# Altium PCB main_io.PcbDoc (part 6 of 6)
Units mil, origin at the board's own origin, x right, y up, seen from the top; angles counter-clockwise.
Board outline 6000 x 9000 mil, 4 copper layers (Top Layer, GND, PWR, Bottom Layer), stack 25.634 mil thick; 548 components, 268 nets, 1608 pads, 404 vias.
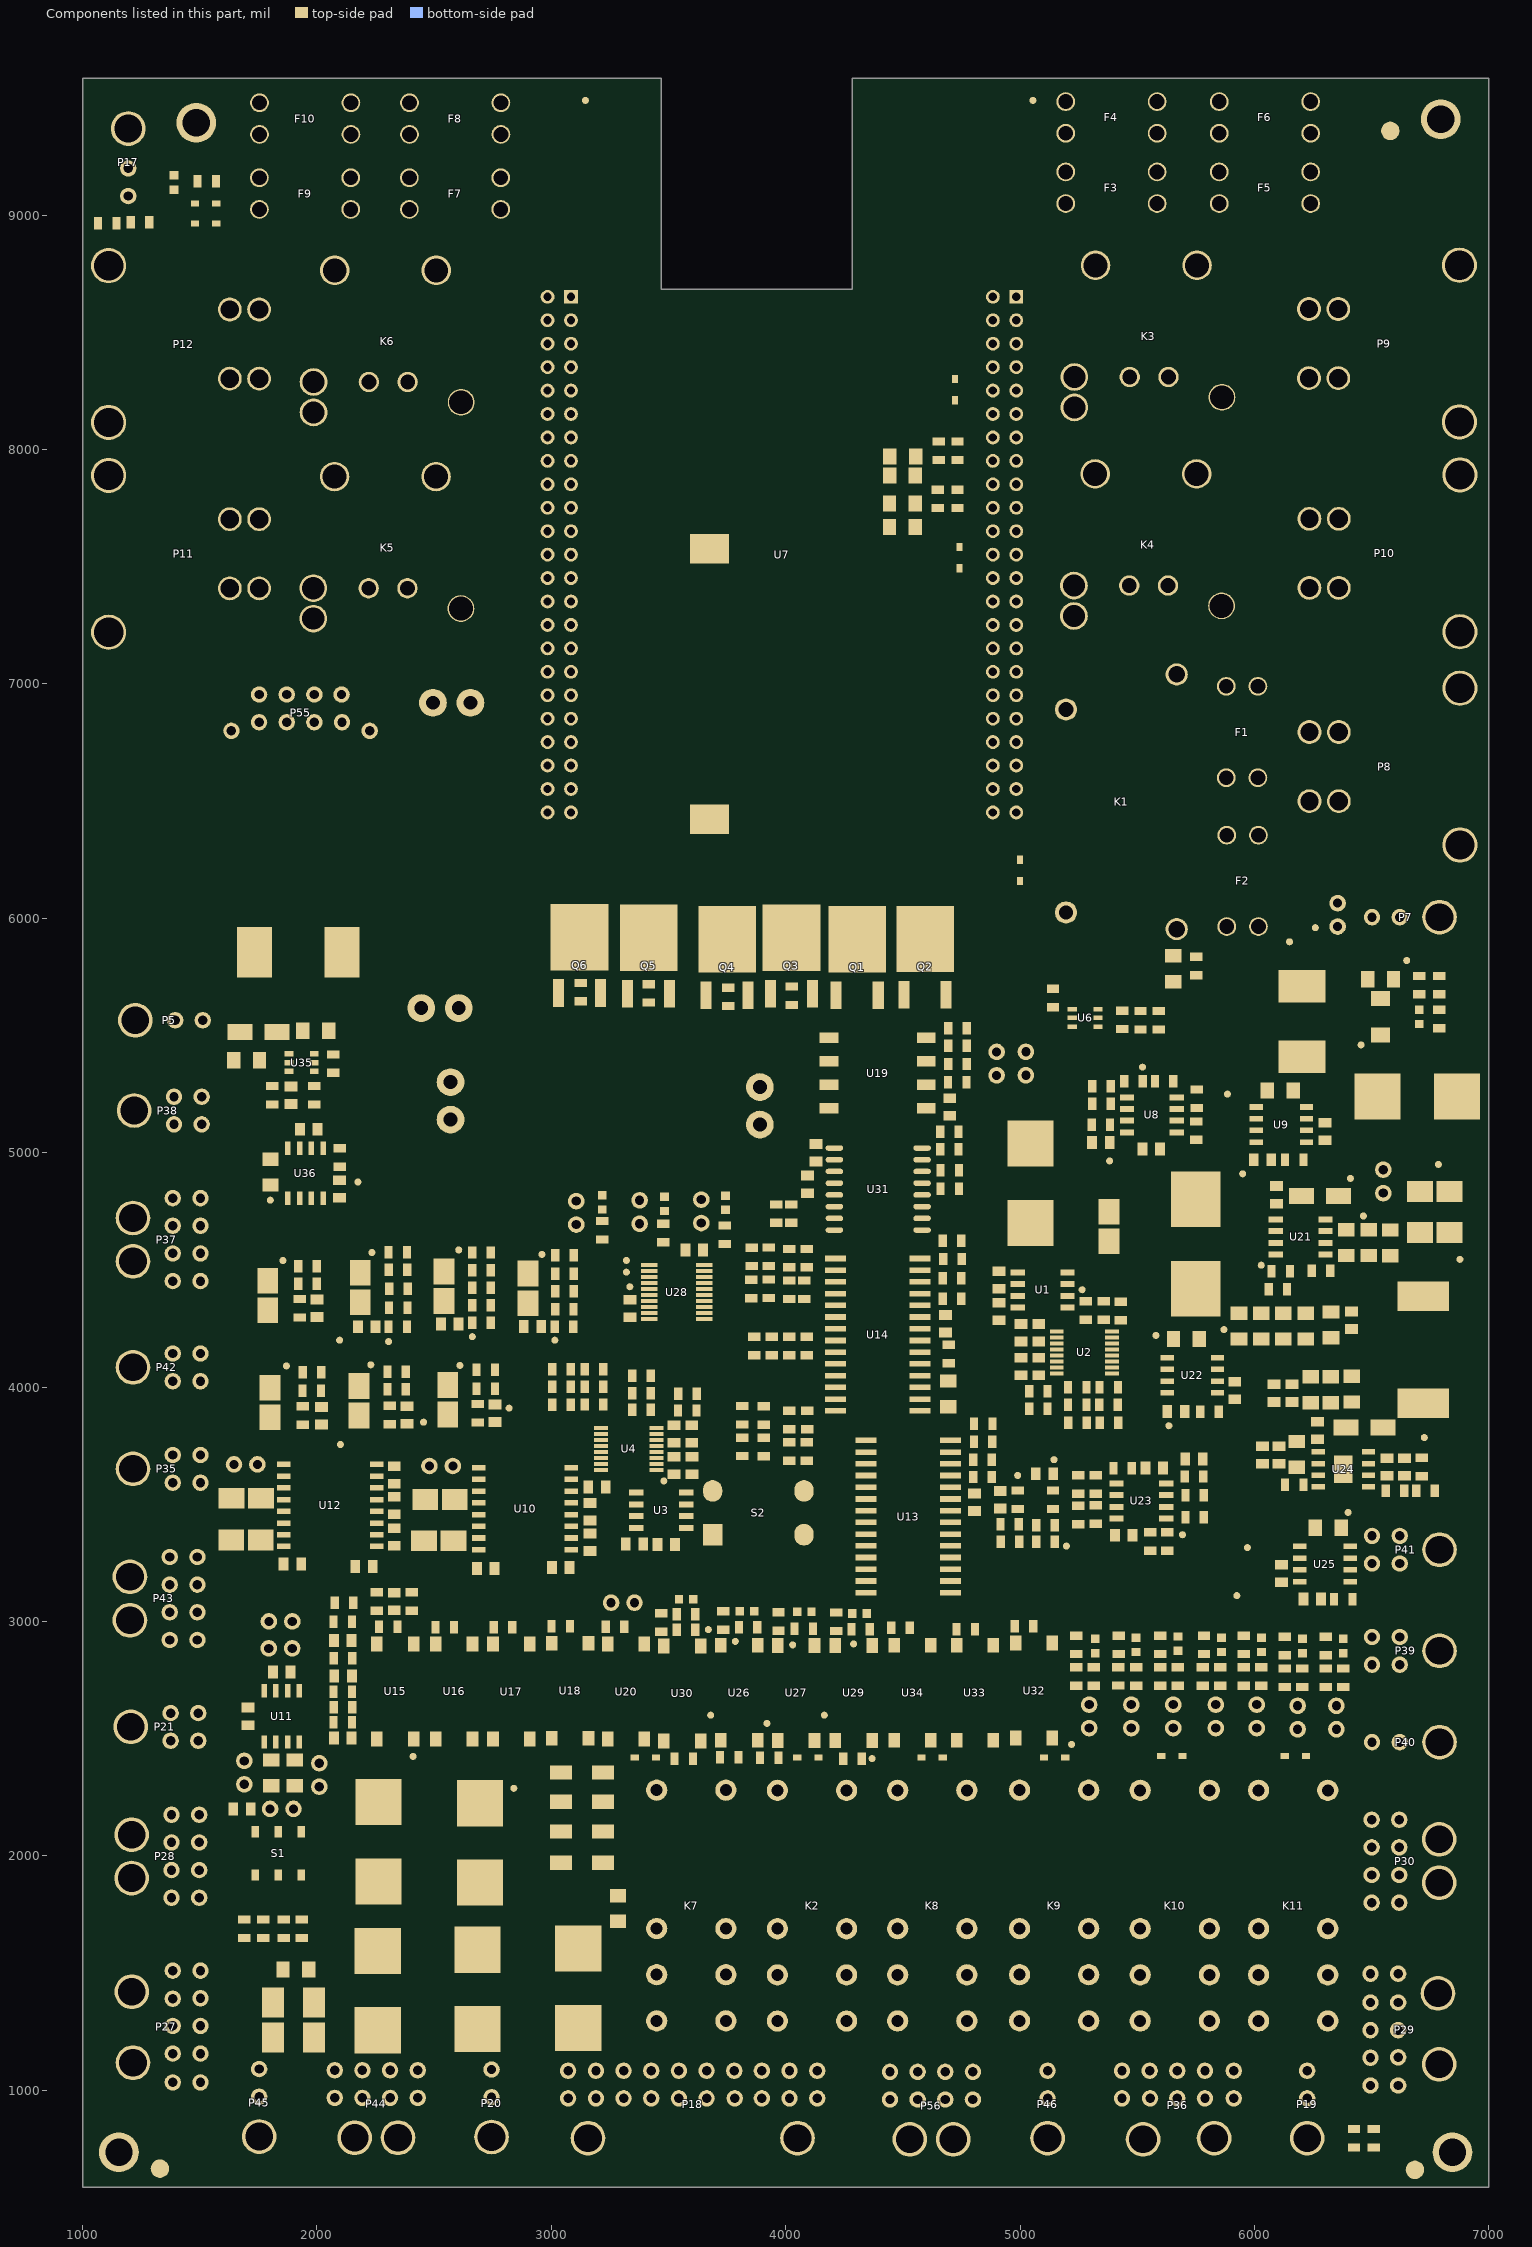
[diagram p8: the components of this part, seen from the top]

## Polygon pours and split planes (outlines as drawn) (continued)
GND on Top Layer "Top Layer-GND 30" (solid, pour order 392): 6245.03,3110 6245,3126 6240,3131 6156.31,3130.07 6130.63,3084.5 6130.63,3069.37 6145,3055 6240.03,3055 6245.03,3060
Low_Contactor_DRV on Top Layer "Top Layer-Low_Contactor_DRV" (solid, pour order 384): 6270,2735 6270,2730 6270,2615 6280,2605 6420,2605 6425,2610 6425,2730 6415,2740 6275,2740
"Inertia_Switch -" on Top Layer "Top Layer-Inertia_Switch -" (solid, pour order 382): 6100,2750 6090,2740 6090.87,2739.13 6090.87,2609.13 6100,2600 6235.03,2600 6245.03,2610 6245.03,2740 6235.03,2750
"Inertia_Switch +" on Top Layer "Top Layer-Inertia_Switch +" (solid, pour order 380): 5927.28,2750 5917.28,2740 5917.28,2617.72 5935,2600 6052.79,2600 6070,2621.14 6070,2735 6055,2750
NetK9_4 on Top Layer "Top Layer-NetK9_4" (solid, pour order 378): 5750,2745 5740,2735 5740,2595 5750,2585 5870,2585 5885,2600 5885,2735 5875,2745
NetK8_4 on Top Layer "Top Layer-NetK8_4" (solid, pour order 376): 5570,2750 5565,2745 5565,2740 5565,2735 5565,2617 5582,2600 5695,2600 5705,2615 5705,2620 5705,2740 5695,2750
"E-STOP -" on Top Layer "Top Layer-E-STOP -" (solid, pour order 374): 5393.11,2750 5385,2740 5385,2735 5385,2612.11 5397.11,2600 5508.98,2600 5525,2616.02 5525,2745 5520,2750 5515,2750
"E-STOP +" on Top Layer "Top Layer-E-STOP +" (solid, pour order 372): 5205,2750 5200,2745 5200,2620 5225,2595 5335,2595 5350,2610 5350,2740.63 5340.63,2750
NetLED16_1 on Top Layer "Top Layer-NetLED16_1" (solid, pour order 370): 6355,2890 6350,2885 6350,2782.4 6358.03,2774.37 6409.02,2774.37 6414.65,2780 6414.65,2881.69 6406.34,2890
NetLED15_1 on Top Layer "Top Layer-NetLED15_1" (solid, pour order 366): 6210,2890 6204.37,2890 6185.12,2890 6175,2879.88 6175,2775 6180,2770 6232.83,2770 6237.83,2775 6235,2777.83 6235,2880 6225,2890
INRT_STAT_FDBK on Top Layer "Top Layer-INRT_STAT_FDBK" (solid, pour order 364): 6100.51,2880 6095,2874.49 6095,2779.37 6100,2774.37 6159.37,2774.37 6165,2780 6165,2870 6155,2880
NetLED14_1 on Top Layer "Top Layer-NetLED14_1" (solid, pour order 362): 6005,2890 5997.6,2882.6 5997.6,2782.4 6005.63,2774.37 6049.37,2774.37 6060,2785 6060,2880 6050,2890
IMD_STAT_FDBK on Top Layer "Top Layer-IMD_STAT_FDBK" (solid, pour order 360): 5930,2885 5925,2880 5925,2784 5929,2780 5980,2780 5985,2785 5985,2880 5980,2885
NetLED11_1 on Top Layer "Top Layer-NetLED11_1" (solid, pour order 358): 5835,2895 5825,2885 5825,2785 5830,2780 5880,2780 5885,2785 5885,2890 5880,2895
BMS_STAT_FDBK on Top Layer "Top Layer-BMS_STAT_FDBK" (solid, pour order 356): 5755,2885 5750,2880 5750,2783.62 5753.62,2780 5810,2780 5815,2785 5815,2880 5810,2885
NetLED10_1 on Top Layer "Top Layer-NetLED10_1" (solid, pour order 354): 5650,2900 5645,2895 5645,2775 5650,2770 5705.63,2770 5710,2774.37 5710,2892.72 5702.72,2900
LMT_SW_FDBK on Top Layer "Top Layer-LMT_SW_FDBK" (solid, pour order 352): 5570,2885 5565,2880 5565,2787 5572,2780 5625,2780 5630,2785 5630,2879.52 5624.52,2885
NetLED13_1 on Top Layer "Top Layer-NetLED13_1" (solid, pour order 350): 5470,2890 5465,2885 5465,2780 5470.63,2774.37 5519.37,2774.37 5525,2780 5525,2785 5525,2885 5519.52,2890
E_STOP_FDBK on Top Layer "Top Layer-E_STOP_FDBK" (solid, pour order 348): 5390,2885 5385,2880 5385,2785 5395,2775 5447,2775 5452,2780 5452,2883 5450,2885
NetLED12_1 on Top Layer "Top Layer-NetLED12_1" (solid, pour order 346): 5290,2890 5283.27,2883.27 5283.27,2781.73 5290,2775 5345.87,2775 5350.87,2780 5350,2780.87 5350,2885 5345,2890
MSTR_SW_FDBK on Top Layer "Top Layer-MSTR_SW_FDBK" (solid, pour order 344): 5210.63,2885 5204.53,2878.9 5204.53,2779.84 5210,2774.37 5269.37,2774.37 5275,2780 5275,2880 5270,2885
GND on Top Layer "Top Layer-GND 32" (solid, pour order 338): 6105.87,3010 6095,2999.13 6095,2990.87 6095,2910 6105,2900 6225,2900 6229.8,2904.8 6229.8,2915.2 6229.8,2995.2 6215,3010
GND on Top Layer "Top Layer-GND 33" (solid, pour order 336): 5925,3000 5925,2910 5935,2900 6050,2900 6055,2905 6050,2910 6050,2990 6020,3020 5945,3020
NetR146_1 on Top Layer "Top Layer-NetR146_1" (solid, pour order 288): 5242.17,3514.72 5223.91,3514.72 5220.43,3511.24 5220.43,3469.51 5224.49,3465.46 5443.54,3465.46 5452.17,3474.08 5452.17,3507.09 5369.8,3507.09 5362.17,3514.72
V-POS5V on Top Layer "Top Layer-V-POS5V 9" (solid, pour order 292): 5247.17,3453.35 5226.12,3453.35 5222.1,3449.33 5222.1,3339.61 5225.63,3336.09 5267.17,3336.09 5274.57,3343.49 5274.57,3446.3 5267.17,3453.7
NetR4_1 on Top Layer "Top Layer-NetR4_1" (solid, pour order 326): 5325,4314.88 5320,4309.88 5320,4267.13 5322.24,4264.88 5460,4264.88 5465,4269.88 5465,4271.1 5465,4306.54 5456.65,4314.88
NetR145_2 on Top Layer "Top Layer-NetR145_2" (solid, pour order 284): 20 vertices, not listed, extent 5287.17,3566.09 5452.17,3681.09
TELEM_V_5V on Top Layer "Top Layer-TELEM_V_5V" (solid, pour order 258): 5458.39,3696.09 5458.39,3695.44 5444.17,3681.22 5444.17,3624.38 5457.17,3611.38 5557.46,3611.38 5567.17,3621.09 5567.17,3631.09 5567.17,3686.09 5557.17,3696.09
NetR5_1 on Top Layer "Top Layer-NetR5_1" (solid, pour order 314): 5130,3881.42 5098.19,3881.42 5095.01,3884.59 5095,3989.88 5135,4029.88 5135,4063.24 5136.64,4064.88 5187.65,4064.88 5190,4062.54 5190,4055 5135,4000 5135,3886.42
V-POS5V on Top Layer "Top Layer-V-POS5V 11" (solid, pour order 308): 5110,4149.88 4975,4149.88 4970,4144.88 4970,4099.37 4979.49,4089.88 5110,4089.88 5117.52,4097.4 5117.52,4123.72 5119.37,4125.57 5187.6,4125.57 5187.6,4126.69 5190,4129.09 5190,4144.88 5115,4144.88
GND on Top Layer "Top Layer-GND 38" (solid, pour order 304): 17 vertices, not listed, extent 4965,4153.66 5187.6,4224.88
GND on Top Layer "Top Layer-GND 39" (solid, pour order 312): 5385,4444.88 5385,4439.88 5385,4344.35 5390,4339.35 5445,4339.35 5445,4339.88 5450,4344.88 5450,4444.88 5445,4449.88 5390,4449.88
V-POS5V on Top Layer "Top Layer-V-POS5V 12" (solid, pour order 310): 5309.69,4449.88 5305,4445.2 5305,4399.88 5295,4389.88 5250,4389.88 5245,4384.88 5245,4334.88 5250,4329.88 5380.54,4329.88 5390,4339.35 5390,4440.2 5380,4449.88
GND on Top Layer "Top Layer-GND 40" (solid, pour order 306): 5095,4169.17 5095,4158.66 5103.78,4149.88 5187.6,4149.88 5187.6,4166.57 5184.03,4170.14 5117.36,4170.14
V-4P5VRef_1 on Top Layer "Top Layer-V-4P5VRef_1" (solid, pour order 302): 22 vertices, not listed, extent 4960,4234.88 5295,4444.88
GND on Top Layer "Top Layer-GND 41" (solid, pour order 300): 5623.74,3326.09 5597.17,3326.09 5592.17,3321.09 5592.16,3285.24 5601.31,3276.09 5797.17,3276.09 5807.17,3286.09 5807.17,3470.45 5802.5,3475.11 5767.61,3474.99 5763.07,3470.44 5763.07,3340.36 5752.8,3330.09
NetR158_1 on Top Layer "Top Layer-NetR158_2 1" (solid, pour order 296): 5562.17,3456.09 5522.17,3416.09 5522.17,3341.09 5527.17,3336.09 5661.3,3336.09 5666.3,3341.09 5665.51,3341.87 5665.51,3407.74 5662.17,3411.09 5662.17,3451.09 5657.17,3456.09
GND on Top Layer "Top Layer-GND 42" (solid, pour order 290): 5297.17,3456.09 5287.17,3446.09 5287.17,3347.1 5295.21,3339.05 5433.39,3339.05 5442.17,3347.83 5442.17,3401.94 5442.17,3403.7 5444.17,3408.66 5444.17,3451.35 5439.42,3456.09
NetR145_1 on Top Layer "Top Layer-NetR145_1" (solid, pour order 286): 5220.43,3571.09 5220.43,3529.51 5223.86,3526.09 5362.17,3526.09 5372.17,3516.09 5447.17,3516.09 5452.17,3521.09 5452.16,3549.29 5445.37,3556.09 5363.02,3556.09 5352.17,3566.94 5352.16,3576.09 5349.39,3578.86 5228.2,3578.86
GND on Top Layer "Top Layer-GND" (solid, pour order 278): 6435.63,3290.26 6162.66,3290.26 6145,3272.6 6142.4,3270 6085,3270 6080,3265 6080,3220 6095,3205 6220,3205 6250,3235 6345,3235 6360,3250 6440,3250 6445,3255 6445,3281.12
TELEM_V_12V on Top Layer "Top Layer-TELEM_V_12V" (solid, pour order 264): 5735,3710 5735,3742.61 5730,3747.61 5685.06,3747.61 5675,3735 5675,3732.44 5675,3595 5680,3590 5730,3590 5735,3595
NetC51_2 on Top Layer "Top Layer-NetC60_2" (solid, pour order 206): 6071.2,4885 5865,4885 5859.97,4890.02 5859.93,4919.99 5854.91,4925 5645,4925 5635,4915 5635,4685 5645,4675 5645,4672.6 5857.32,4672.6 5859.92,4672.6 6049.55,4829.55 6050,4830 6069.55,4830
GND on Top Layer "Top Layer-GND 7" (solid, pour order 242): 19 vertices, not listed, extent 5598.42,4008.27 5980,4138.27
GND on Top Layer "Top Layer-GND 10" (solid, pour order 216): 6135,4465 6170,4465 6180,4475 6180,4515.55 6189.45,4525 6201.22,4525 6225.51,4549.29 6225.51,4600 6220.51,4605 6130.79,4605 6130.52,4469.49
NetC55_1 on Top Layer "Top Layer-NetC64_1 1" (solid, pour order 212): 22 vertices, not listed, extent 5625.2,4113.78 6450,4570
NetR141_1 on Top Layer "Top Layer-NetR141_1" (solid, pour order 204): 6112.58,4590 5995,4590 5985,4580 5985,4553.11 5985,4481.97 6002.04,4464.92 6109.3,4464.43 6123.31,4478.12 6123.4,4579.18
NetC51_1 on Top Layer "Top Layer-NetC60_1" (solid, pour order 202): 6055,4704.88 6064.88,4695 6125.12,4695 6130.63,4700.51 6130.63,4814.37 6125,4820 6062.4,4820 6055,4812.6
NetC51_2 on Top Layer "Top Layer-NetC60_2 1" (solid, pour order 200): 21 vertices, not listed, extent 6055,4705 6440,4915
"MSTR_SW +" on Top Layer "Top Layer-MSTR_SW + 4" (solid, pour order 198): 6269.88,4695 6259.88,4685 6260,4655.63 6265.63,4650 6274.37,4650 6353.66,4650 6373.66,4630 6605,4630 6618.27,4643.27 6618.27,4726.73 6605,4740 6453.76,4740 6423.76,4710 6360,4710 6345,4695
GND on Top Layer "Top Layer-GND 12" (solid, pour order 196): 20 vertices, not listed, extent 6135,4511.81 6615,4880
GND on Top Layer "Top Layer-GND 13" (solid, pour order 194): 5965,5120 5890,5120 5880,5130 5880,5155 5892.21,5167.21 5980,5167.21 5980,5120
V-POS5V on Top Layer "Top Layer-V-POS5V 3" (solid, pour order 192): 6265,5034.94 6265,4970 6275,4960 6322.95,4960 6340.08,4977.13 6340.08,5035.02
TELEM_I_24V on Top Layer "Top Layer-TELEM_I_24V" (solid, pour order 190): 6055,5010 6150,5010 6151.54,5008.46 6151.54,4934.13 6147.4,4930 6040,4930 6040,4995
V-POS5V on Top Layer "Top Layer-V-POS5V 4" (solid, pour order 186): 17 vertices, not listed, extent 6165.12,5025 6340.08,5109.72
GND on Top Layer "Top Layer-GND 14" (solid, pour order 184): 6000,5170 5980,5170 5970,5160 5970,5130 5980,5120 6260,5120 6265,5115 6265,5100 6275,5090 6335.08,5090 6345,5099.92 6345,5160 6340,5165
NetR31_1 on Top Layer "Top Layer-NetR27_1" (solid, pour order 170): 5105,5645 5105,5600 5115,5590 5185,5590 5190,5595 5245.63,5595 5255.63,5605 5255,5605.63 5255,5640 5245,5650 5110,5650
GND on Top Layer "Top Layer-GND 19" (solid, pour order 164): 6745,5555 6745,5150 6795,5100 6945,5100 6970,5125 6970,5545 6950,5565 6755,5565
NetC17_1 on Top Layer "Top Layer-NetC26_1" (solid, pour order 162): 6095,5525 6095,5495 6095,5333.13 6123.39,5304.75 6123.39,5191.34 6144.72,5170 6353.03,5170 6393.03,5130 6630,5130 6625,5333.13 6608,5361 6605,5560 6175.12,5560 6130,5560
VOLTAGE_SIG on Top Layer "Top Layer-VOLTAGE_SIG 1" (solid, pour order 158): 6240,6015 6225,6000 6225,5940 6253.23,5911.77 6426.77,5911.77 6445,5930 6440,5935 6440,6000 6425,6015 6365,6015
GND on Top Layer "Top Layer-GND 21" (solid, pour order 154): 6670,5565 6900,5565 6905,5560 6905,5505 6890,5490 6665,5490 6660,5495 6660,5555
VPOS-24V_RAW on Top Layer "Top Layer-VPOS-24V_RAW 1" (solid, pour order 150): 6755,5725 6920,5725 6945,5750 6945,6110 6650,6405 6135,6405 6135,6161.73 6176.73,6120 6203.27,6120 6660,6120 6664.15,5929.07 6704.08,5890 6751.39,5844.1
NetLED1_1 on Top Layer "Top Layer-NetLED1_1" (solid, pour order 148): 6655,5700 6655,5585 6654.49,5584.49 6654.49,5581.02 6655.51,5580 6740,5580 6740,5695 6730,5705 6660,5705
VOLTAGE_SIG on Top Layer "Top Layer-VOLTAGE_SIG 2" (solid, pour order 146): 6755,5695 6755,5580 6760,5575.51 6870.51,5575.51 6890,5595 6890,5681.93 6871.93,5700 6760,5700
NetL1_1 on Top Layer "Top Layer-NetL1_1" (solid, pour order 144): 6565,5785 6630,5785 6630,5625 6617.91,5612.91 6494.09,5612.91 6482,5625 6482,5682 6495,5695 6540,5695 6540,5760
V-BUS_PROT on Top Layer "Top Layer-V-BUS_PROT" (solid, pour order 142): 6495.71,5850 6720,5850 6740,5830 6740,5717.6 6737.6,5720 6640,5720 6640,5780 6625,5795 6495,5795
V-BUS_PROT on Top Layer "Top Layer-V-BUS_PROT 1" (solid, pour order 140): 6535,5700 6535,5810.71 6495.71,5850 6280,5850 6280,5700
VBATT-1S on Top Layer "Top Layer-VBATT-1S 4" (solid, pour order 36): 1880,8380 2120,8380 2165,8335 2165,7192.17 2087.83,7115 1920,7115 1845,7190 1845,8310
VPOS-24V_RAW on Top Layer "Top Layer-VPOS-24V_RAW 2" (solid, pour order 118): 5210,6435 5210,6249.72 5175.28,6215 4995,6215 5105,6325 5105,6452.03
VPOS-24V_RAW on Top Layer "Top Layer-VPOS-24V_RAW 3" (solid, pour order 114): 5067.83,6280 4985,6280 4970,6265 4970,6227.74 4982.74,6215 5060,6215 5069.67,6224.99
V-BUS_PROT on Top Layer "Top Layer-V-BUS_PROT 3" (solid, pour order 112): 5860.44,6690 6065,6690 6125,6630 6125,5925 6065,5865 5844.69,5865 5795.62,5914.68 5804.68,6634.94
VPOS-24V_RAW on Top Layer "Top Layer-VPOS-24V_RAW 4" (solid, pour order 108): 5099.37,7100 6515,7100 6655,6960 6655,6378.4 6140,6385 6140,6680 5785,6680 5785,6380 5109.57,6382.02 5105,6385
"MSTR_SW +" on Top Layer "Top Layer-MSTR_SW +" (solid, pour order 94): 1455,9080 1510,9080 1520,9070 1520,8932.07 1515,8920 1455,8920 1445,8930 1445,9070
NetLED3_1 on Top Layer "Top Layer-NetLED3_1" (solid, pour order 96): 1300,9145 1410,9145 1415,9140 1415,8935 1385,8905 1280,8905 1245,8940 1245,9110 1280,9145
NetF8_1 on Top Layer "Top Layer-NetF8_1" (solid, pour order 18): 2560,9535 1885,9535 1865,9515 1865,8695 1900,8660 2375,8660 2560,8660 2590,8690 2590,9505
NetF6_1 on Top Layer "Top Layer-NetF6_1" (solid, pour order 90): 6605,9230 6955,9230 6970,9230 6970,7100 6130,7100 6050,7180 6050,7940
NetF6_1 on Top Layer "Top Layer-NetF6_1 1" (solid, pour order 88): 6100,9545 6105,9550 6435,9555 6435,9377.17 6527.17,9285 6614.98,9285 6639.41,9260.61 6640,8900 6635,8895 6100,8900
NetF4_1 on Top Layer "Top Layer-NetF4_1" (solid, pour order 76): 5702.72,9550 6085,9550 6085,8745 6070,8730 5890,8910 5695,8910
NetF4_1 on Top Layer "Top Layer-NetF4_1 1" (solid, pour order 74): 5935,8890 6665,8890 6665,7960 5970,7960 5935,7925
NetF4_1 on Top Layer "Top Layer-NetF4_1 2" (solid, pour order 70): 5245,7977.39 5245,7705 5290,7660 5580,7660 5750,7490 5750,7200 6035,7200 6035,8159.75 5414.16,8149.4
VBATT-1S on Top Layer "Top Layer-VBATT-1S 2" (solid, pour order 40): 2115,8045 2130,8060 2870,8060 2870,7565 2740,7435 2700,7475 2130,7475
V-POS5V on PWR (split plane): 95 vertices, not listed, extent 1020.1,2050.1 6979.9,8789.9
V-POS12V on PWR (split plane): 55 vertices, not listed, extent 1020.1,605.1 6979.9,4869.9
"MSTR_SW +" on PWR (split plane): 65 vertices, not listed, extent 1020.1,5405.1 6979.9,9564.9
GND on GND (split plane): 25 vertices, not listed, extent 1020.1,605.1 6979.9,9564.9

## Other copper
Top Layer:
  pour cut-out: 3455,9660 4310,9660 4310,8675 4295.61,8660.61 3476.73,8660.61 3455,8690.92
  text ".layer_name" at 15250,1555 h60
Bottom Layer:
  pour cut-out: 1560,9560 1680,9560 1680,9240 1660,9245 1645,9235 1560,9235
  text ".layer_name" at 15250,1555 h60
GND (plane layer: these items are gaps in the copper):
  text ".layer_name" at 15250,1555 h60
PWR (plane layer: these items are gaps in the copper):
  lines w10: 1000,4375 1988.31,4375 2149.55,4536.24 2165,4536.24 2833.9,4536.24 2960,4662.34 2960,4810 3025,4875 3035,4875 3160,4875 3166,4875 3225,4875 3270,4830 3270,4230 3230,4190 1880,4190 1655.39,3965.39 1655.39,2045 1958.9,2045 2613.9,2700 2938.9,3025 5148.09,3025 5479.82,3330 5860,3330 ; 1000,5745 1105,5745 1190,5830 1190,6950 1305,7065 2743.67,7065 2940,7261.33 2940,8775 2960,8795 3215,8795 3255,8755 3255,8520 3515,8260 4490,8260 4740,8510 4740,8680 4820,8760 5000,8760 5105,8655 5105,5850 5555,5400 7000,5400 ; 5855,3330 6040,3330 6060,3310 6060,3300 6060,3030 6140,2950 7000,2950
  text ".layer_name" at 15250,1555 h60

## Silkscreen, mask and mechanical layers (free items; w line width, h text height)
Top Overlay:
  drawing of 25 lines, arcs and shapes, not listed
  text "VBATT-1S" at 3094.95,9530 h20
  text "MainIO" at 6425,9530 h40
  text "IMD" at 1360,9525 h40
  text "Rev. B" at 6425,9490 h40
  text "NETF3_2" at 4990,9440 h20
  text "S. Riggleman" at 6425,9440 h40
  text "L.V. BATT" at 6675,8940 h40
  text "L.V. BATT" at 6675,8905 h40
  text "L.V. BATT" at 1060,7080 h40
  text "L.V. BATT" at 1060,7040 h40
  text "ARDUINO" at 1565,6865 h20 r90
  text "MSTR_SW+" at 2440.59,6675 h40
  text "L.V. PWR" at 6793.27,6170 h40
  text "VOLTAGE_SIG" at 6165,5995 h20
  text "V-BUS_PROT" at 6125,5845 h20
  text "V-POS5V" at 2457.01,5840 h40
  text "Dropout Latch" at 6760,5815 h40
  text "COM. PWR" at 1575,5645.63 h40 r270
  text "MSTR_SW+" at 3637.48,5310 h40 r270
  text "Wheel Retro" at 1590,5280 h40 r270
  text "V-BUS_FILT" at 5847.44,5215 h20
  text "I2C1 SDA SCL" at 5112.22,5210 h40 r90
  text "I2C2 SDA SCL" at 5147.22,5210 h40 r90
  text "V-POS12V" at 2825,5100.59 h40 r90
  text "3.3V" at 3605,4865 h40
  text "12V" at 3080,4860 h40
  text "5V" at 3355,4860 h40
  text "TELEM_I_28V" at 2154.37,4825 h20
  text "Extra Analog" at 1585,4740 h40 r270
  text "VPOS-24V_RAW" at 1760,4740 h20
  text "THERM_OUT_2" at 6930,4715 h20 r270
  text "THERM_OUT_3" at 6910,4556.26 h20 r270
  text "V-POS3.3V" at 3220,4420.38 h20
  text "V-POS5V" at 5530,4186.2 h20
  text "ADC_EXTRA1" at 2573.67,4175 h20
  text "ADC_EXTRA2" at 2975,4155.63 h20
  text "ADC_EXTRA_0" at 2225,4155 h20
  text "TELEM_THERM_5" at 2026.06,4145 h20
  text "THERM_OUT_4" at 2530,4120.63 h20
  text "THERM_OUT_1" at 2150.5,4115 h20
  text "THERM_OUT_0" at 1785,4109.43 h20
  text "Thermistors" at 1570,3965 h40 r270
  text "TELEM_THERM_1" at 2462.01,3880 h20 r90
  text "TELEM_THERM_4" at 2862.91,3825 h20 r90
  text "TELEM_I_5V" at 5600,3795 h20
  text "TELEM_I_12V" at 5601.57,3757.81 h20
  text "UART4 RX TX" at 1589,3738 h40
  text "TELEM_THERM_0" at 2125,3735 h20
  text "UART5 RX TX" at 2415,3725 h40
  text "TELEM_THERM_3" at 5095,3722.13 h20
  text "TELEM_V_5V" at 5518.93,3700 h20 r90
  text "TELEM_THERM_2" at 4935,3673.69 h20
  text "THERM" at 6815,3530 h40
  text "V-POS12V" at 5935,3353 h20
  text "Limit Switch" at 1575,3205 h40 r270
  text "PUMP" at 3278.49,3140 h30
  text "CAN TX" at 1775,3110 h40
  text "TELEM_I_12V" at 5910,3070 h20
  text "CAN RX" at 1775,3065 h40
  text "RETRO_0" at 3765,2874.49 h20
  text "RETRO_2" at 4260,2855.63 h20
  text "RETRO_1" at 4000,2850 h20
  text "RET_WHEEL_MCU" at 3690,2785 h20 r90
  text "Inertia + ESTOP" at 6445,2690 h40 r90
  text "Charger" at 1565,2660 h40 r270
  text "LIM" at 5595,2565 h30 r90
  text "BMS" at 5772.73,2560 h30 r90
  text "ESTOP" at 5410,2555 h30 r90
  text "IMD" at 5945,2555 h30 r90
  text "INRT" at 6125,2555 h30 r90
  text "MSTR" at 5230,2550 h30 r90
  text "MCU" at 6300,2550 h30 r90
  text "RET_WHEEL_SIG" at 3614.17,2545 h20
  text "RET_0_SIG" at 3940,2545 h20
  text "RET_1_SIG" at 4075,2540 h20
  text "MSTR_SW+" at 5230,2430 h20
  text "CAN H" at 2070,2410 h40 r270
  text "RET_2_SIG" at 4395,2400 h20
  text "H.V. MSTR." at 6435,2390 h40 r90
  text "CAN L" at 1620,2300 h40 r90
  text "BRK SERIAL" at 1565,2122 h40 r270
  text "BRK SERIAL" at 6439,2057 h40 r90
  text "BRK PWR" at 1570,1412 h40 r270
  text "BRK PWR" at 6439,1400 h40 r90
  text "THERM." at 2805,1185 h40
  text "RMS" at 2390,1156 h40
  text "EXP." at 2810,1156 h40
  text "BMS" at 3545,1156 h40
  text "IMD" at 6245.03,1156 h40
  text "PUMP PWR" at 1565,1155 h40
  text "Precharge Board" at 4520,1150 h40
  text "HV_12V" at 5050,1150 h40
  text "Retros" at 5295,1150 h40
Board Outline:
  the board outline again, w10
Mechanical 15:
  drawing of 295 lines, arcs and shapes, not listed
  text "Layer" at 7520.34,5840 h60
  text "Name" at 7930.26,5840 h60
  text "Material" at 8860,5840 h60
  text "Thickness" at 9719.77,5840 h60
  text "Constant" at 10369.6,5840 h60
  text "Board Layer Stack" at 10939.46,5840 h60
  text "Top Overlay" at 7930.26,5720 h60
  text "Top Solder" at 7930.26,5600 h60
  text "Solder Resist" at 8860,5600 h60
  text "0.40mil" at 9719.77,5600 h60
  text "3.5" at 10369.6,5600 h60
  text "1" at 7520.34,5480 h60
  text "Top Layer" at 7930.26,5480 h60
  text "1.40mil" at 9719.77,5480 h60
  text "Dielectric 1" at 7930.26,5360 h60
  text "FR-4" at 8860,5360 h60
  text "5.00mil" at 9719.77,5360 h60
  text "4.2" at 10369.6,5360 h60
  text "2" at 7520.34,5240 h60
  text "GND" at 7930.26,5240 h60
  text "1.42mil" at 9719.77,5240 h60
  text "Dielectric 3" at 7930.26,5120 h60
  text "10.00mil" at 9719.77,5120 h60
  text "4.2" at 10369.6,5120 h60
  text "3" at 7520.34,5000 h60
  text "PWR" at 7930.26,5000 h60
  text "1.42mil" at 9719.77,5000 h60
  text "Dielectric 2" at 7930.26,4880 h60
  text "5.00mil" at 9719.77,4880 h60
  text "4.2" at 10369.6,4880 h60
  text "4" at 7520.34,4760 h60
  text "Bottom Layer" at 7930.26,4760 h60
  text "1.40mil" at 9719.77,4760 h60
  text "Bottom Solder" at 7930.26,4640 h60
  text "Solder Resist" at 8860,4640 h60
  text "0.40mil" at 9719.77,4640 h60
  text "3.5" at 10369.6,4640 h60
  text "Bottom Overlay" at 7930.26,4520 h60
Mechanical 16:
  drawing of 50 lines, arcs and shapes, not listed
  text "1" at 1548.84,10087.5 h70
  text "2" at 4044.5,10087.5 h70
  text "4" at 9040.51,10087.5 h70
  text "5" at 11769.5,10077.5 h70
  text "3" at 6350,10075 h70
  text "6" at 14649.5,10067.5 h70
  text "A" at 15927.5,9536 h70
  text "A" at 392.5,9490 h70
  text "B" at 15925,7663 h70
  text "B" at 392.5,7564.5 h70
  text "C" at 15925,5288 h70
  text "C" at 392.5,5189.5 h70
  text "D" at 15925,2918 h70
  text "D" at 392.5,2819.5 h70
  text "ENGINEER:" at 11397.5,1335 h45
  text "TITLE:" at 12897.5,1335 h45
  text "RCastle, BTobin, JEslinger,  / SRiggleman" at 11675,1137.5 h110
  text ".PCB_FILE_NAME_NO_PATH" at 12992.5,1087.28 h200
  text "PCB DESIGNER:" at 11397.5,1040 h45
  text "E" at 415,1016 h70
  text "S. Riggleman, B. Tobin" at 11432.5,910 h110
  text "DATE:" at 11397.5,735 h45
  text "PART NO.:" at 12897.5,735 h45
  text "REV:" at 14997.5,735 h45
  text "Badgerloop" at 10097.5,635 h110
  text ".PRINT_DATE" at 11447.5,615 h110
  text "Braking Input Output Controller" at 12967.5,610 h110
  text "A" at 15007.5,610 h110
  text "ERB Room 133" at 10097.5,535 h110
  text "1400 Engineering Drive" at 10097.5,435 h110
  text "FILE NAME:" at 11397.5,435 h45
  text "DWG NO:" at 12897.5,435 h45
  text "SCALE:" at 14997.5,435 h45
  text "Madison, WI 53706" at 10097.5,335 h110
  text ".PCB_FILE_NAME_NO_PATH" at 11447.5,315 h110
  text "1:1" at 15012.5,310 h110
  text "3" at 6340,100 h70
  text "1" at 1535,85 h70
  text "2" at 4005,85 h70
  text "4" at 8840,85 h70
  text "5" at 11469.5,82.5 h70
  text "6" at 14529.5,72.5 h70
Drill Drawing:
  drawing of 186 lines, arcs and shapes, not listed
  text "Symbol" at 7542.5,8872.5 h72
  text "Count" at 8048.38,8872.5 h72
  text "Hole Size" at 8648.22,8872.5 h72
  text "Plated" at 9787.88,8872.5 h72
  text "Hole Type" at 10293.76,8872.5 h72
  text "Drill Layer Pair" at 11027.56,8872.5 h72
  text "Via/Pad" at 12527.11,8872.5 h72
  text "Pad Shape" at 13116.96,8872.5 h72
  text "Template" at 13862.76,8872.5 h72
  text "396" at 8048.38,8722.5 h60
  text "15.00mil (0.381mm)" at 8648.22,8722.5 h60
  text "PTH" at 9787.88,8722.5 h60
  text "Round" at 10293.76,8722.5 h60
  text "Top Layer - Bottom Layer" at 11027.56,8722.5 h60
  text "Via" at 12527.11,8722.5 h60
  text "Rounded" at 13116.96,8722.5 h60
  text "v76h38" at 13862.76,8722.5 h60
  text "8" at 8048.38,8572.5 h60
  text "28.00mil (0.711mm)" at 8648.22,8572.5 h60
  text "PTH" at 9787.88,8572.5 h60
  text "Round" at 10293.76,8572.5 h60
  text "Top Layer - Bottom Layer" at 11027.56,8572.5 h60
  text "Via" at 12527.11,8572.5 h60
  text "Rounded" at 13116.96,8572.5 h60
  text "v127h71" at 13862.76,8572.5 h60
  text "A" at 7513.41,8562.51 h66.67
  text "92" at 8048.38,8422.5 h60
  text "35.43mil (0.900mm)" at 8648.22,8422.5 h60
  text "PTH" at 9787.88,8422.5 h60
  text "Round" at 10293.76,8422.5 h60
  text "Top Layer - Bottom Layer" at 11027.56,8422.5 h60
  text "Pad" at 12527.11,8422.5 h60
  text "(Mixed)" at 13116.96,8422.5 h60
  text "(Mixed)" at 13862.76,8422.5 h60
  text "44" at 8048.38,8272.5 h60
  text "39.37mil (1.000mm)" at 8648.22,8272.5 h60
  text "PTH" at 9787.88,8272.5 h60
  text "Round" at 10293.76,8272.5 h60
  text "Top Layer - Bottom Layer" at 11027.56,8272.5 h60
  text "Pad" at 12527.11,8272.5 h60
  text "Rounded" at 13116.96,8272.5 h60
  text "c180h100" at 13862.76,8272.5 h60
  text "148" at 8048.38,8122.5 h60
  text "40.00mil (1.016mm)" at 8648.22,8122.5 h60
  text "PTH" at 9787.88,8122.5 h60
  text "Round" at 10293.76,8122.5 h60
  text "Top Layer - Bottom Layer" at 11027.56,8122.5 h60
  text "Pad" at 12527.11,8122.5 h60
  text "Rounded" at 13116.96,8122.5 h60
  text "c178h102" at 13862.76,8122.5 h60
  text "48" at 8048.38,7972.5 h60
  text "51.18mil (1.300mm)" at 8648.22,7972.5 h60
  text "PTH" at 9787.88,7972.5 h60
  text "Round" at 10293.76,7972.5 h60
  text "Top Layer - Bottom Layer" at 11027.56,7972.5 h60
  text "Pad" at 12527.11,7972.5 h60
  text "Rounded" at 13116.96,7972.5 h60
  text "c230h130" at 13862.76,7972.5 h60
  text "9" at 8048.38,7822.5 h60
  text "59.06mil (1.500mm)" at 8648.22,7822.5 h60
  text "PTH" at 9787.88,7822.5 h60
  text "Round" at 10293.76,7822.5 h60
  text "Top Layer - Bottom Layer" at 11027.56,7822.5 h60
  text "Pad" at 12527.11,7822.5 h60
  text "Rounded" at 13116.96,7822.5 h60
  text "(Mixed)" at 13862.76,7822.5 h60
  text "9" at 8048.38,7672.5 h60
  text "62.99mil (1.600mm)" at 8648.22,7672.5 h60
  text "PTH" at 9787.88,7672.5 h60
  text "Round" at 10293.76,7672.5 h60
  text "Top Layer - Bottom Layer" at 11027.56,7672.5 h60
  text "Pad" at 12527.11,7672.5 h60
  text "Rounded" at 13116.96,7672.5 h60
  text "(Mixed)" at 13862.76,7672.5 h60
  text "40" at 8048.38,7522.5 h60
  text "63.00mil (1.600mm)" at 8648.22,7522.5 h60
  text "PTH" at 9787.88,7522.5 h60
  text "Round" at 10293.76,7522.5 h60
  text "Top Layer - Bottom Layer" at 11027.56,7522.5 h60
  text "Pad" at 12527.11,7522.5 h60
  text "Rounded" at 13116.96,7522.5 h60
  text "c203h160" at 13862.76,7522.5 h60
  text "2" at 8048.38,7372.5 h60
  text "70.87mil (1.800mm)" at 8648.22,7372.5 h60
  text "PTH" at 9787.88,7372.5 h60
  text "Round" at 10293.76,7372.5 h60
  text "Top Layer - Bottom Layer" at 11027.56,7372.5 h60
  text "Pad" at 12527.11,7372.5 h60
  text "Rounded" at 13116.96,7372.5 h60
  text "c240h180" at 13862.76,7372.5 h60
  text "20" at 8048.38,7222.5 h60
  text "77.95mil (1.980mm)" at 8648.22,7222.5 h60
  text "PTH" at 9787.88,7222.5 h60
  text "Round" at 10293.76,7222.5 h60
  text "Top Layer - Bottom Layer" at 11027.56,7222.5 h60
  text "Pad" at 12527.11,7222.5 h60
  text "Rounded" at 13116.96,7222.5 h60
  text "c258h198" at 13862.76,7222.5 h60
  text "8" at 8048.38,7072.5 h60
  text "94.49mil (2.400mm)" at 8648.22,7072.5 h60
  text "PTH" at 9787.88,7072.5 h60
  text "Round" at 10293.76,7072.5 h60
  text "Top Layer - Bottom Layer" at 11027.56,7072.5 h60
  text "Pad" at 12527.11,7072.5 h60
  text "Rounded" at 13116.96,7072.5 h60
  text "c300h240" at 13862.76,7072.5 h60
  text "12" at 8048.38,6922.5 h60
  text "102.00mil (2.591mm)" at 8648.22,6922.5 h60
  text "PTH" at 9787.88,6922.5 h60
  text "Round" at 10293.76,6922.5 h60
  text "Top Layer - Bottom Layer" at 11027.56,6922.5 h60
  text "Pad" at 12527.11,6922.5 h60
  text "Rounded" at 13116.96,6922.5 h60
  text "(Mixed)" at 13862.76,6922.5 h60
  text "4" at 8048.38,6772.5 h60
  text "116.00mil (2.946mm)" at 8648.22,6772.5 h60
  text "NPTH" at 9787.88,6772.5 h60
  text "Round" at 10293.76,6772.5 h60
  text "Top Layer - Bottom Layer" at 11027.56,6772.5 h60
  text "Pad" at 12527.11,6772.5 h60
  text "Rounded" at 13116.96,6772.5 h60
  text "c430hn295" at 13862.76,6772.5 h60
  text "34" at 8048.38,6622.5 h60
  text "118.00mil (2.997mm)" at 8648.22,6622.5 h60
  text "PTH" at 9787.88,6622.5 h60
  text "Round" at 10293.76,6622.5 h60
  text "Top Layer - Bottom Layer" at 11027.56,6622.5 h60
  text "Pad" at 12527.11,6622.5 h60
  text "Rounded" at 13116.96,6622.5 h60
  text "c376h300" at 13862.76,6622.5 h60
  text "10" at 8048.38,6472.5 h60
  text "125.00mil (3.175mm)" at 8648.22,6472.5 h60
  text "PTH" at 9787.88,6472.5 h60
  text "Round" at 10293.76,6472.5 h60
  text "Top Layer - Bottom Layer" at 11027.56,6472.5 h60
  text "Pad" at 12527.11,6472.5 h60
  text "Rounded" at 13116.96,6472.5 h60
  text "c381h318" at 13862.76,6472.5 h60
  text "884 Total" at 8048.38,6322.5 h60

## Dimensions
1000,9585 to 1000,585 on Top Overlay
1000,9585 to 7000,9585 on Top Overlay

## Text inside footprints (layer, text, board x,y; h text height)
BT2: Top Overlay "-" at 3560,7565 h60 r90; Top Overlay "+" at 3565,6385 h60 r90
S1: Top Overlay "ON" at 2000,2095 h60 r90; Top Overlay "OFF" at 1705,2090 h60 r90
U7: Top Overlay "2" at 2999,8722 h40 r90; Top Overlay "1" at 3099,8722 h40 r90; Top Overlay "46" at 2994,6342 h40 r90; Top Overlay "45" at 3094,6342 h40 r90; Top Overlay "45" at 4999,6342 h40 r90; Top Overlay "46" at 4894,6342 h40 r90; Top Overlay "1" at 4999,8722 h40 r90; Top Overlay "2" at 4894,8722 h40 r90
U13: Top Overlay "*" at 4725.83,3103.61 h50 r180; Mechanical 13 "*" at 4668.33,3148.11 h50 r180
U14: Top Overlay "*" at 4595.63,3879.78 h50 r180; Mechanical 13 "*" at 4538.13,3924.28 h50 r180
U19: Top Overlay "o" at 4314.92,5430.16 h60 r90